# Allegro board EVK2_BM92T70-DEVICE-EVK-101_BRD_REV05_2016-03-18.brd
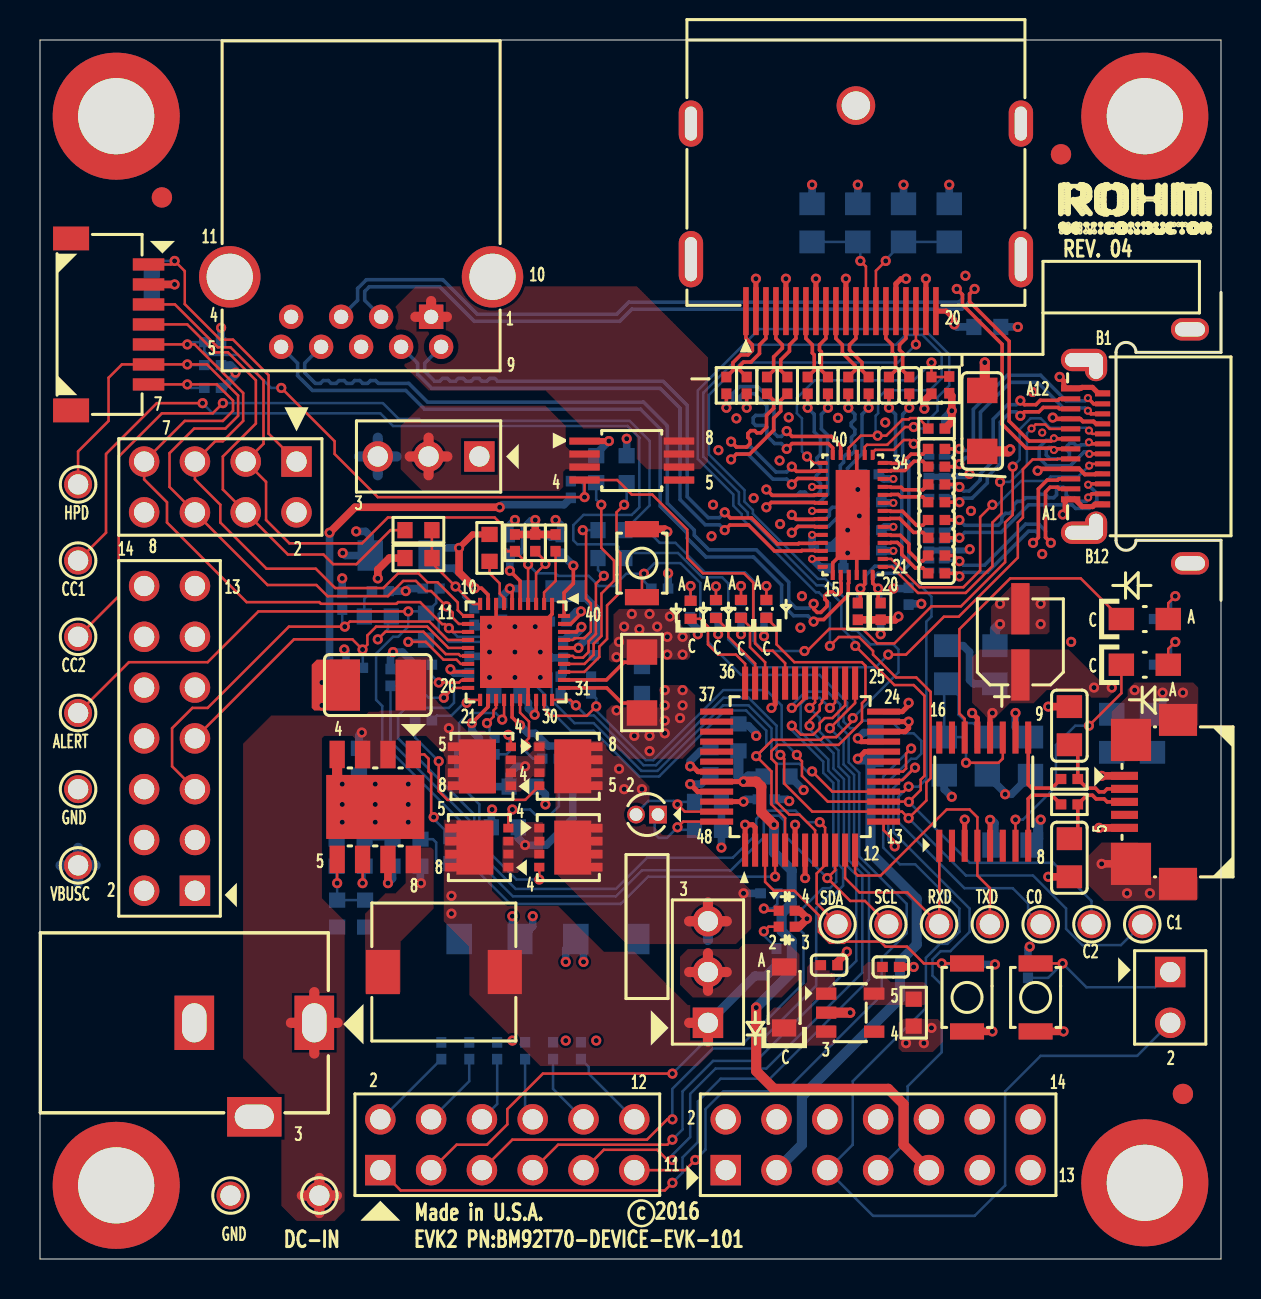
[diagram p0: board, top side]
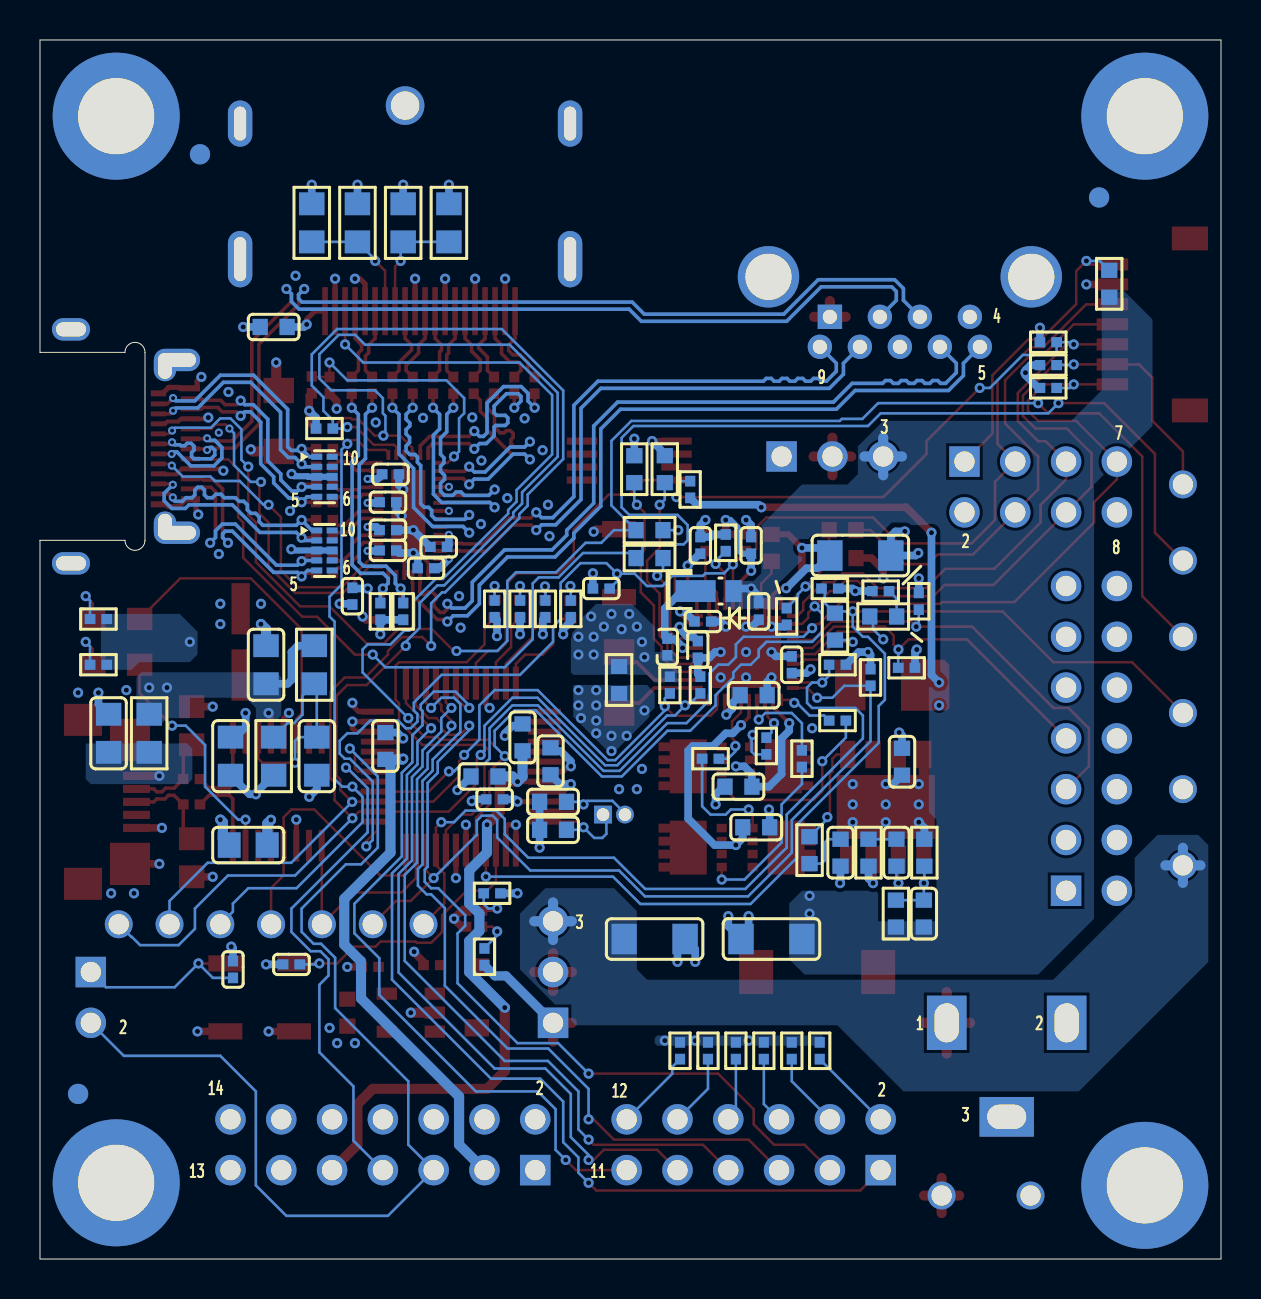
[diagram p1: board, bottom side, seen from below]

Outline 59.05 x 60.96 mm; copper layers: TOP, L2_GND, L3_PWR, BOTTOM. Coordinates in mm from the lower left corner of the outline.
Outline path: 0,60.96 0,0 59.05,0 59.05,35.94 54.8,35.94 arc(54.3,35.44) 53.8,35.94 53.8,45.34 arc(54.3,45.84) 54.8,45.34 59.05,45.34 59.05,60.96 0,60.96

## Design rules (mm)
net group AUX: nets AUX+ AUX-
net group AUX_C: nets N14001956 N14001966
net group D: nets D+ D-
net group D0: nets D0+ D0-
net group D0_R: nets D0N- D0P+
net group D1: nets D1+ D1-
net group D1_R: nets D1N- D1P+
net group D2: nets D2+ D2-
net group D2_R: nets D2N- D2P+
net group D3: nets D3+ D3-
net group D3_R: nets D3N- D3P+
net group RX: nets RX+ RX-
net group RX1: nets RX1+ RX1-
net group RX1_C: nets N14002778 N14002806
net group RX2: nets RX2+ RX2-
net group RX2_C: nets N14002696 N14002704
net group TX: nets TX+ TX-
net group TX1: nets TX1+ TX1-
net group TX1_C: nets N14002782 N14002790
net group TX2: nets TX2+ TX2-
net group TX2_C: nets N14002742 N14002762
net group USB: nets N14025825 N14025849
net group USB_R: nets N14026089 N14026093
net group PWR: nets VCCIN VDDL VPP

## Placement (name value [footprint] x y rotation side)
C1  10uF  [C1206]  28.32 16 0 bottom
C2  0.47uF  [C0402]  42.55 14.61 180 top
C3  0.47uF  [C0402]  39.46 14.69 180 top
C5  10000PF  [C1206]  18.03 35.18 180 bottom
C6  1uF  [C0603]  23.24 21.59 0 bottom
C7  1uF  [C0603]  23.37 28.19 0 bottom
C8  1uF  [C0603]  24.13 23.62 180 bottom
C9  1uF  [C0402]  23.11 32.38 90 bottom
C11  1uF  [C0402]  21.46 29.72 270 bottom
C14  0.01uF  [C0402]  30.99 33.53 180 bottom
C15  4.7uF  [C0402]  23.5 35.69 270 bottom
C16  1uF  [C0402]  26.04 35.69 270 bottom
C17  1uF  [C0402]  25.91 31.88 0 bottom
C18  1uF  [C0402]  26.16 30.48 90 bottom
C19  1uF  [C0402]  27.69 30.61 90 bottom
C30  1uF  [C0603]  33.53 24.89 90 bottom
C31  1uF  [C0603]  41.78 25.65 270 bottom
C32  1uF  [C0603]  34.92 26.09 270 bottom
C33  1uF  [C0603]  36.83 24.13 180 bottom
C34  DNP  [C0603]  33.4 22.86 0 bottom
C35  DNP  [C0603]  33.4 21.46 0 bottom
C36  0.1uF  [C0402]  36.32 22.99 180 bottom
C37  0.1uF  [C0402]  46.48 14.73 180 bottom
C38  0.1uF  [C0402]  49.4 14.48 270 bottom
C40  4.7uF  [ECE-V1EA4R7SR]  49.02 30.86 0 top
C41  0.1uF  [C0805]  47.75 29.72 270 bottom
C42  0.1uF  [C0805]  48.64 20.7 0 bottom
C43  0.01uF  [C0805]  55.63 26.29 270 bottom
C44  47pF  [C0805]  51.47 26.67 270 top
C45  47pF  [C0805]  51.47 20.07 90 top
C46  0.01uF  [C0805]  45.21 25.15 90 bottom
C47  0.1uF  [C0805]  49.53 25.15 90 bottom
C51  0.1uF  [C0603]  15.95 24.87 90 bottom
C52  10uF  [C1210]  16.89 28.7 0 top
C54  22uF  [C1206]  22.48 16 180 bottom
C56  2200pF  [C0603]  16.23 20.32 270 bottom
C57  0.1uF  [C0603]  19.02 20.32 90 bottom
C58  100pF  [C0603]  14.86 17.27 90 bottom
C76  10uF  [C0603]  47.37 46.61 0 bottom
C77  0.1uF  [C0402]  39.75 34.54 0 bottom
C78  0.1uF  [C0402]  41.66 36.45 180 bottom
C79  0.1uF  [C0402]  41.53 39.24 180 bottom
C80  0.1uF  [C0402]  39.12 35.61 0 bottom
C81  0.1uF  [C0402]  41.66 37.85 180 bottom
C82  0.1uF  [C0402]  43.43 33.15 90 bottom
C83  0.1uF  [C0402]  41.66 35.43 180 bottom
C84  100uF  [C1206]  47.12 41.91 90 top
C85  0.1uF  [C0402]  44.83 40.51 0 top
C86  0.1uF  [C0402]  44.83 39.62 0 top
C87  0.1uF  [C0402]  44.83 38.73 0 top
C88  0.1uF  [C0402]  44.83 37.85 0 top
C89  0.1uF  [C0402]  44.83 36.96 0 top
C90  0.1uF  [C0402]  44.83 36.07 0 top
C91  0.1uF  [C0402]  44.83 35.18 0 top
C92  0.1uF  [C0402]  44.83 34.29 0 top
C93  0.1uF  [C0402]  42.45 43.69 270 top
C94  0.1uF  [C0402]  43.47 43.69 270 top
D1  RBE2VA(M)20A  [RBE2VAM20A]  25.32 33.4 90 bottom
D2  20V 3A  [SOD-123F]  37.21 13.08 180 top
D10  LED  [LED0402]  36.32 32.51 90 top
D11  LED  [LED0402]  32.53 32.47 90 top
D12  LED  [LED0402]  33.8 32.51 90 top
D13  LED  [LED0402]  35.05 32.51 90 top
D14  Dual LED  [LED0404-DUAL]  37.34 17.02 270 top
EEPROM-IF  7 HEADER  [SM07B-SRSS-TB]  3.43 46.74 270 top
FB1  600R/0.5A  [FB0805]  53.59 26.29 270 bottom
J1  3 position header  [HDR_THVT_1X3_100]  33.4 11.81 90 top
J3  MCU Debug  [HDR_THVT_2X7_100]  34.29 4.45 0 top
J4  RESET_EN  [HDR_THVT_1X2_100]  56.52 14.35 270 top
J5  USB-PD Debug  [HDR_THVT_2X7_100]  7.75 18.41 90 top
J6  2x6 PIN Jumper  [HDR_THVT_2X6_100]  17.02 4.45 0 top
J11  Micro-B USB  [ZX62R-B-5P]  56.9 22.86 90 top
J12  3 position header  [HDR_THVT_1X3_100]  21.97 40.13 180 top
J13  67997-408HLF  [HDR_2X4_100_VERT]  12.83 39.88 180 top
J14  PJ-102AH  [DC_BARREL_CONNECTOR]  13.72 11.81 90 top
L1  4.7uH  [CLF7045T-4R7N]  20.19 14.35 180 top
LED3  Green  [LED0805]  55.24 32 0 top
LED4  Yellow  [LED0805]  55.24 29.72 0 top
NOREF  -  []  -25.4 128.7 0 top
NOREF#2  -  []  191.01 106.35 0 top
NOREF#3  -  []  -25.4 128.7 270 top
NOREF#4  -  []  178.44 105.33 180 top
NOREF#5  -  []  138.69 121.35 0 top
NOREF#6  -  []  137.67 128.7 270 top
NOREF#7  -  []  205.62 187.52 0 top
NOREF#8  -  []  219.2 128.7 270 top
NOREF#9  -  []  219.2 164.26 270 top
NOREF#10  -  []  15.37 8.64 0 top
NOREF#11  -  []  -11.81 187.52 0 top
NOREF#12  -  []  59.05 0 90 top
NOREF#13  -  []  54.22 45.83 0 top
NOREF#14  -  []  42.55 187.52 0 top
NOREF#15  -  []  57.15 106.35 0 top
NOREF#16  -  []  0 60.96 0 top
NOREF#17  -  []  245.37 106.35 0 top
NOREF#18  -  []  0 0 90 top
NOREF#19  -  []  -122.3 -49.36 0 top
NOREF#20  -  []  246.38 164.26 270 top
NOREF#21  -  []  232.79 105.33 0 top
NOREF#22  -  []  69.73 105.33 0 top
NOREF#23  -  []  232.79 105.33 180 top
NOREF#24  -  []  110.49 164.26 270 top
NOREF#25  -  [unnamed#2]  3.81 57.15 90 top
NOREF#26  -  []  -26.41 104.32 0 top
NOREF#27  -  []  218.19 121.35 0 top
NOREF#28  -  []  -25.46 192.35 0 top
NOREF#29  -  []  165.86 106.35 0 top
NOREF#30  -  []  15.37 105.33 180 top
NOREF#31  -  [unnamed#3]  57.15 8.26 90 top
NOREF#32  -  []  -26.41 104.32 0 top
NOREF#33  -  []  96.9 187.52 0 top
NOREF#34  -  []  0.76 121.35 0 top
NOREF#35  -  []  163.83 121.35 0 top
NOREF#36  -  []  246.38 128.7 270 top
NOREF#37  -  []  164.85 164.26 270 top
NOREF#38  -  []  84.33 121.35 0 top
NOREF#39  -  []  1.78 164.26 270 top
NOREF#40  -  []  -11.81 187.52 0 top
NOREF#41  -  []  -159.89 -84.98 0 top
NOREF#42  -  []  -31.49 196.15 0 top
NOREF#43  -  [unnamed#3]  51.05 55.24 90 top
NOREF#44  -  []  136.65 106.35 0 top
NOREF#45  -  []  247.4 104.32 0 top
NOREF#46  -  []  151.26 187.52 0 top
NOREF#47  -  []  27.94 106.35 0 top
NOREF#48  -  []  96.9 187.52 0 top
NOREF#49  -  []  54.8 45.34 0 top
NOREF#50  -  []  178.44 105.33 0 top
NOREF#51  -  []  -25.4 164.26 270 top
NOREF#52  -  []  -31.49 96.7 0 top
NOREF#53  -  []  69.73 105.33 180 top
NOREF#54  -  []  56.14 128.7 270 top
NOREF#55  -  []  -24.38 186.5 0 top
NOREF#56  -  []  83.31 164.26 270 top
NOREF#57  -  []  220.22 106.35 0 top
NOREF#58  -  []  -24.38 121.35 0 top
NOREF#59  -  []  83.31 128.7 270 top
NOREF#60  -  []  252.48 96.7 0 top
NOREF#61  -  []  15.37 105.33 0 top
NOREF#62  -  []  55.12 121.35 0 top
NOREF#63  -  []  137.67 164.26 270 top
NOREF#64  -  []  29.97 121.35 0 top
NOREF#65  -  []  2.8 106.35 0 top
NOREF#66  -  []  111.51 106.35 0 top
NOREF#67  -  []  59.05 45.34 90 top
NOREF#68  -  []  42.55 187.52 0 top
NOREF#69  -  []  246.14 192.35 0 top
NOREF#70  -  []  151.26 187.52 0 top
NOREF#71  -  []  56.14 164.26 270 top
NOREF#72  -  []  -31.49 196.15 0 top
NOREF#73  -  []  -26.41 188.53 0 top
NOREF#74  -  []  28.96 164.26 270 top
NOREF#75  -  []  82.3 106.35 0 top
NOREF#76  -  []  164.85 128.7 270 top
NOREF#77  -  []  192.03 164.26 270 top
NOREF#78  -  []  -25.4 164.26 0 top
NOREF#79  -  []  -25.15 100.49 0 top
NOREF#80  -  []  124.08 105.33 180 top
NOREF#81  -  []  109.48 121.35 0 top
NOREF#82  -  [unnamed#2]  55.24 57.15 90 top
NOREF#83  -  []  193.04 121.35 0 top
NOREF#84  -  [unnamed#3]  6.1 53.09 90 top
NOREF#85  -  [unnamed#2]  55.24 3.81 90 top
NOREF#86  -  []  246.12 100.49 0 top
NOREF#87  -  []  124.08 105.33 0 top
NOREF#88  -  []  192.03 128.7 270 top
NOREF#89  -  []  -31.49 96.7 0 top
NOREF#90  -  []  252.48 96.7 90 top
NOREF#91  -  []  -25.46 192.35 0 top
NOREF#92  -  []  -24.38 121.35 0 top
NOREF#93  -  [unnamed#2]  3.81 3.68 90 top
NOREF#94  -  []  28.96 128.7 270 top
NOREF#95  -  []  1.78 128.7 270 top
NOREF#96  -  []  205.62 187.52 0 top
NOREF#97  -  []  -25.15 100.49 0 top
NOREF#98  -  []  110.49 128.7 270 top
NOREF#99  -  [unnamed#3]  6.1 53.09 90 bottom
NOREF#100  -  [unnamed#3]  51.05 55.24 90 bottom
NOREF#101  -  [unnamed#3]  57.15 8.26 90 bottom
Q1  -  [RQ3E180BN]  26.42 20.57 270 top
Q2  -  [RQ3E180BN]  21.97 20.57 90 top
Q3  -  [RQ3E180BN]  26.42 24.64 270 top
Q4  -  [RQ3E180BN]  22.1 24.64 90 top
R1  1k  [R0603]  22.48 35.56 90 top
R2  0  [R0402]  20.95 25.02 270 bottom
R3  0  [R0402]  25.53 25.02 0 bottom
R4  0  [R0402]  19.18 26.92 180 bottom
R5  0  [R0402]  22.73 25.65 270 bottom
R6  10k  [R0402]  19.18 29.72 180 bottom
R7  10k  [R0402]  17.53 29.08 90 bottom
R8  100k  [R0402]  17.02 33.4 0 bottom
R9  100k  [R0402]  19.56 33.53 180 bottom
R10  100k  [R0402]  15.11 32.89 90 bottom
R11A  100k  [R0402]  21.72 32.13 90 bottom
R11B  Open  [R0603]  18.92 35.05 180 top
R12  0  [R0603]  5.59 48.77 270 bottom
R13  100k  [R0402]  27.56 28.7 270 bottom
R14  100k  [R0402]  26.04 28.7 270 bottom
R15  100k  [R0402]  8.64 45.85 180 bottom
R16  100k  [R0402]  8.64 44.7 180 bottom
R17  100k  [R0402]  8.64 43.56 180 bottom
R18  100k  [R0402]  15.72 29.57 0 bottom
R19  100k  [R0402]  24.77 35.81 270 bottom
R20  100k  [R0402]  24.77 35.81 90 top
R21  100k  [R0402]  23.75 35.81 90 top
R22  0  [R0603]  16.89 32.13 0 bottom
R23  0  [R0603]  19.3 31.62 270 bottom
R25  15K  [R0805]  47.37 25.15 90 bottom
R26  0  [R0603]  18.92 36.45 0 top
R27  DNP  [R0402]  40.89 32.38 90 bottom
R28  DNP  [R0402]  40.89 32.38 90 top
R29  DNP  [R0402]  42.04 32.38 90 bottom
R30  DNP  [R0402]  42.04 32.38 90 top
R31  0  [R0603]  30.1 28.96 90 bottom
R36  10m  [R1206]  30.1 28.83 90 top
R37  10k  [R0402]  25.78 35.81 90 top
R40  0  [R0603]  43.69 12.32 270 top
R41  330  [R0402]  35.05 32.51 270 bottom
R42  330  [R0402]  33.78 32.51 270 bottom
R43  330  [R0402]  32.51 32.51 270 bottom
R44  330  [R0402]  36.32 32.51 270 bottom
R45  100k  [R0402]  26.54 38.48 90 bottom
R46  270R  [R0402]  56.13 32 180 bottom
R47  270R  [R0402]  56.13 29.72 180 bottom
R48  27R  [R0402]  51.47 24 180 top
R49  27R  [R0402]  51.47 22.73 180 top
R50  NC  [R0402]  45.47 43.71 90 top
R51  NC  [R0402]  44.83 41.53 180 top
R52  NC  [R0402]  44.83 41.53 180 bottom
R53  4.7K  [R0402]  44.58 43.69 270 top
R54  0  [R0402]  34.32 43.69 270 top
R55  0  [R0402]  35.34 43.69 270 top
R56  0  [R0402]  36.35 43.69 270 top
R57  0  [R0402]  37.37 43.69 270 top
R58  0  [R0402]  38.39 43.69 270 top
R59  0  [R0402]  39.4 43.69 270 top
R60  0  [R0402]  40.42 43.69 270 top
R61  12k  [R0603]  16.26 17.27 270 bottom
R62  3k  [R0603]  14.83 20.32 270 bottom
R63  15k  [R0603]  17.63 20.32 90 bottom
R64  0  [R0603]  20.57 20.45 270 bottom
R65  1M  [R0805]  43.18 51.82 90 bottom
R66  10K  [R0805]  45.34 29.72 90 bottom
R67  0  [R0402]  41.43 43.69 270 top
R68  NC  [R0805]  45.47 51.82 270 bottom
R69  1M  [R0805]  38.61 51.82 90 bottom
R70  10k  [R0402]  20.07 10.41 90 bottom
R71  10k  [R0402]  21.46 10.41 90 bottom
R72  10k  [R0402]  22.86 10.41 90 bottom
R73  10k  [R0402]  24.26 10.41 90 bottom
R74  10k  [R0402]  25.65 10.41 90 bottom
R75  10k  [R0402]  27.05 10.41 90 bottom
R76  NC  [R0805]  40.89 51.82 270 bottom
R101  0  [R0603]  28.57 36.45 0 bottom
R102  0  [R0603]  28.57 35.05 0 bottom
R103  0  [R0603]  27.81 39.5 270 bottom
R104  0  [R0603]  29.34 39.5 270 bottom
R155  3.3K  [R0402]  36.45 18.29 0 bottom
R156  3.3K  [R0402]  36.83 15.11 90 bottom
SW1  -  [B3U-1000P]  30.1 34.8 270 top
SW2  -  [B3U-1000P]  46.35 13.08 90 top
SW3  -  [B3U-1000P]  49.78 13.08 90 top
TP0  TEST POINT  [TP_D040C055]  13.97 3.17 270 top
TP1  TEST POINT  [TP_D040C055]  9.53 3.17 270 top
TP3  TEST POINT  [TP_D040C055]  39.88 16.74 90 top
TP4  TEST POINT  [TP_D040C055]  42.42 16.74 90 top
TP5  TEST POINT  [TP_D040C055]  44.96 16.74 90 top
TP6  TEST POINT  [TP_D040C055]  47.5 16.74 90 top
TP7  TEST POINT  [TP_D040C055]  50.04 16.74 180 top
TP8  TEST POINT  [TP_D040C055]  52.58 16.74 180 top
TP9  TEST POINT  [TP_D040C055]  55.12 16.74 180 top
TP10  TEST POINT  [TP_D040C055]  1.91 19.68 270 top
TP11  TEST POINT  [TP_D040C055]  1.91 34.92 270 top
TP12  TEST POINT  [TP_D040C055]  1.91 31.11 270 top
TP13  TEST POINT  [TP_D040C055]  1.91 38.73 270 top
TP14  TEST POINT  [TP_D040C055]  1.91 27.3 270 top
TP15  TEST POINT  [TP_D040C055]  1.91 23.5 270 top
U1  BM92T70MWV  [BM92T50MWV]  23.81 30.36 270 top
U2  -  [BD9E300EFJ-LB]  16.76 22.61 180 top
U3  -  [BD82065FVJ]  29.59 39.93 270 top
U4  BU33TD3WG-TR  [SSOP5]  40.51 12.32 90 top
U5  -  [FT230XS-R]  47.19 23.37 0 top
U6  -  [ML610Q482]  38.01 24.62 90 top
U23  Type-C recep.  [DX07B024JJ1-S]  52.21 40.64 90 top
U24  -  [PI3USB30532]  40.64 37.21 0 top
U25  -  [TPD4E05U06]  44.83 39.12 270 bottom
U26  -  [TPD4E05U06]  44.83 35.43 270 bottom
U27  -  [DP1RD20JQ1R400]  40.8 54.83 180 top
U28  -  [10117835-002LF]  19.56 47.12 180 top
X1  32.768KHz  [AB26T-32P768KHZ]  30.35 22.23 180 top

## Library data of the parts
C1 C5-C9 C11 C14-C19 C30-C38 C76-C94 = C_0.1u_0402
C2 C3 C51 C52 C54 C56-C58 = C_2
C40 = C-POL_0: room: FTDI
C41-C47 = C_2: room: FTDI
D1 = DIODE SCHOTTKY
D2 = SCHOTTKY
D10-D13 = LED
D14 = LED_DUAL
EEPROM-IF = 7 HEADER
FB1 = FerriteBead_5: room: FTDI
J1 J12 = 3-PIN Jumper
J3 J5 = 14 HEADER
J4 = 2-PIN Jumper
J6 = 2x6 PIN Jumper
J11 = CONN PCB 5_0: room: FTDI
J13 = HDR_2X4
J14 = CONN JACK PWR_0
L1 = INDUCTOR
LED3 LED4 = LED_1: signal model: LEDdriver; room: FTDI
Q1-Q4 = MOSFET_EN_DGS_4
R1-R10 R11A R11B R12-R23 R26-R31 R36 R37 R41-R45 R50-R60 R65 R67-R76 R101-R104 = CHIP RES0402
R25 R46-R49 R61-R64 = RES_1K_1%_1/8W_0805PKG: signal model: LEDdriver; room: FTDI
R40 = RES_1K_1%_1/8W_0805PKG
R66 = RES_1K_1%_1/8W_0: signal model: LEDdriver; room: FTDI
R155 R156 = RES_10K_1%_1/8W_0805PKG
SW1-SW3 = SW PUSHBUTTON-SPST_3
TP0 TP1 TP3-TP15 = TEST POINT
U1 = BM92T50MWV_2
U2 = BD9E300EFJ-LB
U3 = BD82065FVJ_1
U4 = BD3570HFP_2
U5 = FT230XS-R_1: room: FTDI
U6 = ML610Q482_1
U23 = Type-C recep_1.
U24 = PI3USB30532_1
U25 U26 = TPD4E05U06_0
U27 = DP1RD20JQ1R400_UFP_0
U28 = 10117835-002LF_2
X1 = OSC_1

## Footprints (pads in the part's own frame, mm; a bottom-side part is the same pattern mirrored in y, then rotated)
10117835-002LF
  rect 1.219x1.219 hole 0.711: 1(0,0)
  round 1.219 hole 0.711: 2(2.5,0) 3(4.5,0) 4(7,0) 5(7.5,1.5) 6(5.5,1.5) 7(3.5,1.5) 8(1.5,1.5) 9(-0.5,1.5)
  round 3.073 hole 2.311: 10(-3.07,-2) 11(10.07,-2)
AB26T-32P768KHZ
  rect 0.889x0.889 hole 0.635: 1(-0.55,0)
  round 0.889 hole 0.635: 2(0.55,0)
B3U-1000P
  rect 0.813x1.702 smd: 1(1.7,0) 2(-1.7,0)
BD9E300EFJ-LB
  rect 0.762x1.372 smd: 1(-1.905,-2.625) 2(-0.635,-2.625) 3(0.635,-2.625) 4(1.905,-2.625) 5(1.905,2.625) 6(0.635,2.625) 7(-0.635,2.625) 8(-1.905,2.625)
  rect 4.902x3.2 smd: 9(0,0)
BD82065FVJ
  rect 0.356x1.524 smd: 1(-0.975,-2.362) 2(-0.325,-2.362) 3(0.325,-2.362) 4(0.975,-2.362) 5(0.975,2.362) 6(0.325,2.362) 7(-0.325,2.362) 8(-0.975,2.362)
BM92T50MWV
  rect 0.61x0.203 smd: 1(-2.4,1.8) 2(-2.4,1.4) 3(-2.4,1) 4(-2.4,0.6) 5(-2.4,0.2) 6(-2.4,-0.2) 7(-2.4,-0.6) 8(-2.4,-1) 9(-2.4,-1.4) 10(-2.4,-1.8) 21(2.4,-1.8) 22(2.4,-1.4) 23(2.4,-1) 24(2.4,-0.6) 25(2.4,-0.2) 26(2.4,0.2) 27(2.4,0.6) 28(2.4,1) 29(2.4,1.4) 30(2.4,1.8)
  rect 0.203x0.61 smd: 11(-1.8,-2.4) 12(-1.4,-2.4) 13(-1,-2.4) 14(-0.6,-2.4) 15(-0.2,-2.4) 16(0.2,-2.4) 17(0.6,-2.4) 18(1,-2.4) 19(1.4,-2.4) 20(1.8,-2.4) 31(1.8,2.4) 32(1.4,2.4) 33(1,2.4) 34(0.6,2.4) 35(0.2,2.4) 36(-0.2,2.4) 37(-0.6,2.4) 38(-1,2.4) 39(-1.4,2.4) 40(-1.8,2.4)
  rect 3.607x3.607 smd: EPAD(0,0)
C0402
  rect 0.533x0.508 smd: 1(-0.419,0) 2(0.419,0)
C0603
  rect 0.762x0.813 smd: 1(-0.673,0) 2(0.673,0)
C0805
  rect 1.143x1.27 smd: 1(-0.953,0) 2(0.953,0)
C1206
  rect 1.27x1.524 smd: 1(-1.524,0) 2(1.524,0)
C1210
  rect 1.524x2.54 smd: 1(-1.651,0) 2(1.651,0)
CLF7045T-4R7N
  rect 1.702x2.21 smd: 1(3.05,0) 2(-3.05,0)
DC_BARREL_CONNECTOR
  rect 2.718x1.981 hole 1.956x1.219: 1(0,0) 2(0,6)
  rect 1.981x2.718 hole 1.219x1.956: 3(-4.7,3)
DP1RD20JQ1R400
  oval 1.219x2.819 hole 0.61x2.21: (-8.25,4.835) (8.25,4.835)
  oval 1.219x2.311 hole 0.61x1.702: (-8.25,-1.945) (8.25,-1.945)
  round 1.93 hole 1.422 unplated: (0,-2.845)
  rect 0.28x2.4 smd: 1(5.5,7.435) 2(5,7.435) 3(4.5,7.435) 4(4,7.435) 5(3.5,7.435) 6(3,7.435) 7(2.5,7.435) 8(2,7.435) 9(1.5,7.435) 10(1,7.435) 11(0.5,7.435) 12(0,7.435) 13(-0.5,7.435) 14(-1,7.435) 15(-1.5,7.435) 16(-2,7.435) 17(-2.5,7.435) 18(-3,7.435) 19(-3.5,7.435) 20(-4,7.435)
DX07B024JJ1-S
  oval 1.118x1.905 hole 0.711x1.499: (-5.85,-5.3) (5.85,-5.3)
  oval 1.118x2.311 hole 0.7x1.9: (-4.32,0) (4.32,0)
  oval 1.524x1.118 hole 1.3x0.7: (-4.02,-0.6) (4.02,-0.6)
  rect 0.305x0.965 smd: A1(-2.65,0.67) A12(2.9,0.67)
  rect 0.254x0.965 smd: A2(-2.125,0.67) A3(-1.625,0.67) A4(-1.125,0.67) A5(-0.625,0.67) A6(-0.125,0.67) A7(0.375,0.67) A8(0.875,0.67) A9(1.375,0.67) A10(1.875,0.67) A11(2.375,0.67)
  rect 0.305x0.762 smd: B1(2.65,-0.93) B12(-2.9,-0.93)
  rect 0.254x0.762 smd: B2(2.125,-0.93) B3(1.625,-0.93) B4(1.125,-0.93) B5(0.625,-0.93) B6(0.125,-0.93) B7(-0.375,-0.93) B8(-0.875,-0.93) B9(-1.375,-0.93) B10(-1.875,-0.93) B11(-2.375,-0.93)
ECE-V1EA4R7SR
  rect 0.914x2.565 smd: 1(0,-1.656) 2(0,1.656)
FB0805
  rect 1.143x1.27 smd: 1(-0.953,0) 2(0.953,0)
FT230XS-R
  rect 0.305x1.6 smd: 1(-2.223,-2.705) 2(-1.587,-2.705) 3(-0.953,-2.705) 4(-0.318,-2.705) 5(0.318,-2.705) 6(0.953,-2.705) 7(1.587,-2.705) 8(2.223,-2.705) 9(2.223,2.705) 10(1.587,2.705) 11(0.953,2.705) 12(0.318,2.705) 13(-0.318,2.705) 14(-0.953,2.705) 15(-1.587,2.705) 16(-2.223,2.705)
HDR_2X4_100_VERT
  rect 1.524x1.524 hole 1.016: 1(0,0)
  round 1.524 hole 1.016: 2(0,2.54) 3(2.54,0) 4(2.54,2.54) 5(5.08,0) 6(5.08,2.54) 7(7.62,0) 8(7.62,2.54)
HDR_THVT_1X2_100
  rect 1.524x1.524 hole 1.016: 1(0,0)
  round 1.524 hole 1.016: 2(2.54,0)
HDR_THVT_1X3_100
  rect 1.524x1.524 hole 1.016: 1(0,0)
  round 1.524 hole 1.016: 2(2.54,0) 3(5.08,0)
HDR_THVT_2X6_100
  rect 1.524x1.524 hole 1.016: 1(0,0)
  round 1.524 hole 1.016: 2(0,2.54) 3(2.54,0) 4(2.54,2.54) 5(5.08,0) 6(5.08,2.54) 7(7.62,0) 8(7.62,2.54) 9(10.16,0) 10(10.16,2.54) 11(12.7,0) 12(12.7,2.54)
HDR_THVT_2X7_100
  rect 1.524x1.524 hole 1.016: 1(0,0)
  round 1.524 hole 1.016: 2(0,2.54) 3(2.54,0) 4(2.54,2.54) 5(5.08,0) 6(5.08,2.54) 7(7.62,0) 8(7.62,2.54) 9(10.16,0) 10(10.16,2.54) 11(12.7,0) 12(12.7,2.54) 13(15.24,0) 14(15.24,2.54)
LED0402
  rect 0.508x0.61 smd: 1(-0.45,0) 2(0.45,0)
LED0404-DUAL
  rect 0.508x0.508 smd: 1(-0.4,-0.4) 2(0.4,-0.4) 3(0.4,0.4) 4(-0.4,0.4)
LED0805
  rect 1.27x1.118 smd: A(1.172,0) C(-1.172,0)
ML610Q482
  rect 1.651x0.305 smd: 1(-4.175,2.75) 2(-4.175,2.25) 3(-4.175,1.75) 4(-4.175,1.25) 5(-4.175,0.75) 6(-4.175,0.25) 7(-4.175,-0.25) 8(-4.175,-0.75) 9(-4.175,-1.25) 10(-4.175,-1.75) 11(-4.175,-2.25) 12(-4.175,-2.75) 25(4.175,-2.75) 26(4.175,-2.25) 27(4.175,-1.75) 28(4.175,-1.25) 29(4.175,-0.75) 30(4.175,-0.25) 31(4.175,0.25) 32(4.175,0.75) 33(4.175,1.25) 34(4.175,1.75) 35(4.175,2.25) 36(4.175,2.75)
  rect 0.305x1.651 smd: 13(-2.75,-4.175) 14(-2.25,-4.175) 15(-1.75,-4.175) 16(-1.25,-4.175) 17(-0.75,-4.175) 18(-0.25,-4.175) 19(0.25,-4.175) 20(0.75,-4.175) 21(1.25,-4.175) 22(1.75,-4.175) 23(2.25,-4.175) 24(2.75,-4.175) 37(2.75,4.175) 38(2.25,4.175) 39(1.75,4.175) 40(1.25,4.175) 41(0.75,4.175) 42(0.25,4.175) 43(-0.25,4.175) 44(-0.75,4.175) 45(-1.25,4.175) 46(-1.75,4.175) 47(-2.25,4.175) 48(-2.75,4.175)
PI3USB30532
  custom 0.508x0.203 smd: 1(-1.5,2.6) 14(-1.5,-2.6) 21(1.5,-2.6) 34(1.5,2.6)
  rect 0.508x0.203 smd: 2(-1.5,2.2) 3(-1.5,1.8) 4(-1.5,1.4) 5(-1.5,1) 6(-1.5,0.6) 7(-1.5,0.2) 8(-1.5,-0.2) 9(-1.5,-0.6) 10(-1.5,-1) 11(-1.5,-1.4) 12(-1.5,-1.8) 13(-1.5,-2.2) 22(1.5,-2.2) 23(1.5,-1.8) 24(1.5,-1.4) 25(1.5,-1) 26(1.5,-0.6) 27(1.5,-0.2) 28(1.5,0.2) 29(1.5,0.6) 30(1.5,1) 31(1.5,1.4) 32(1.5,1.8) 33(1.5,2.2)
  custom 0.203x0.508 smd: 15(-1,-3) 20(1,-3) 35(1,3) 40(-1,3)
  rect 0.203x0.508 smd: 16(-0.6,-3) 17(-0.2,-3) 18(0.2,-3) 19(0.6,-3) 36(0.6,3) 37(0.2,3) 38(-0.2,3) 39(-0.6,3)
  rect 1.702x4.496 smd: 41(0,0)
R0402
  rect 0.533x0.508 smd: 1(-0.419,0) 2(0.419,0)
R0603
  rect 0.762x0.813 smd: 1(-0.673,0) 2(0.673,0)
R0805
  rect 1.143x1.27 smd: 1(-0.953,0) 2(0.953,0)
R1206
  rect 1.27x1.524 smd: 1(-1.524,0) 2(1.524,0)
RBE2VAM20A
  rect 1.092x0.813 smd: 1(0,-0.95)
  rect 1.092x2.007 smd: 2(0,0.95)
RQ3E180BN
  rect 0.432x0.508 smd: 1(-0.975,-1.45) 2(-0.325,-1.45) 3(0.325,-1.45) 4(0.975,-1.45) 5(0.975,1.45) 6(0.325,1.45) 7(-0.325,1.45) 8(-0.975,1.45)
SM07B-SRSS-TB
  rect 1.194x1.803 smd: (-4.3,-1.875) (4.3,-1.875)
  rect 0.61x1.575 smd: 1(-3,2) 2(-2,2) 3(-1,2) 4(0,2) 5(1,2) 6(2,2) 7(3,2)
SOD-123F
  rect 1.219x0.864 smd: A(0,-1.525) C(0,1.525)
SSOP5
  rect 0.61x1.016 smd: 1(0.95,1.2) 2(0,1.2) 3(-0.95,1.2) 4(-0.95,-1.2) 5(0.95,-1.2)
TP_D040C055
  round 1.397 hole 1.016: 1(0,0)
TPD4E05U06
  rect 0.3x0.55 smd: 1(-1,-0.385) 2(-0.5,-0.385) 4(0.5,-0.385) 5(1,-0.385) 6(1,0.385) 7(0.5,0.385) 9(-0.5,0.385) 10(-1,0.385)
  rect 0.4x0.55 smd: 3(0,-0.385) 8(0,0.385)
unnamed#2
  round 6.35 hole 3.81: (0,0)
unnamed#3
  round 1.016 smd: 1(0,0)
ZX62R-B-5P
  rect 0.406x1.346 smd: 1(1.3,2.675) 2(0.65,2.675) 3(0,2.675) 4(-0.65,2.675) 5(-1.3,2.675)
  rect 1.6x1.905 smd: 6(-4.1,0) 7(4.1,0)
  rect 2.108x2.007 smd: 8(-3.1,2.35) 9(3.1,2.35)
